# Altium PCB PCB1.PcbDoc (part 1 of 2) (continued)
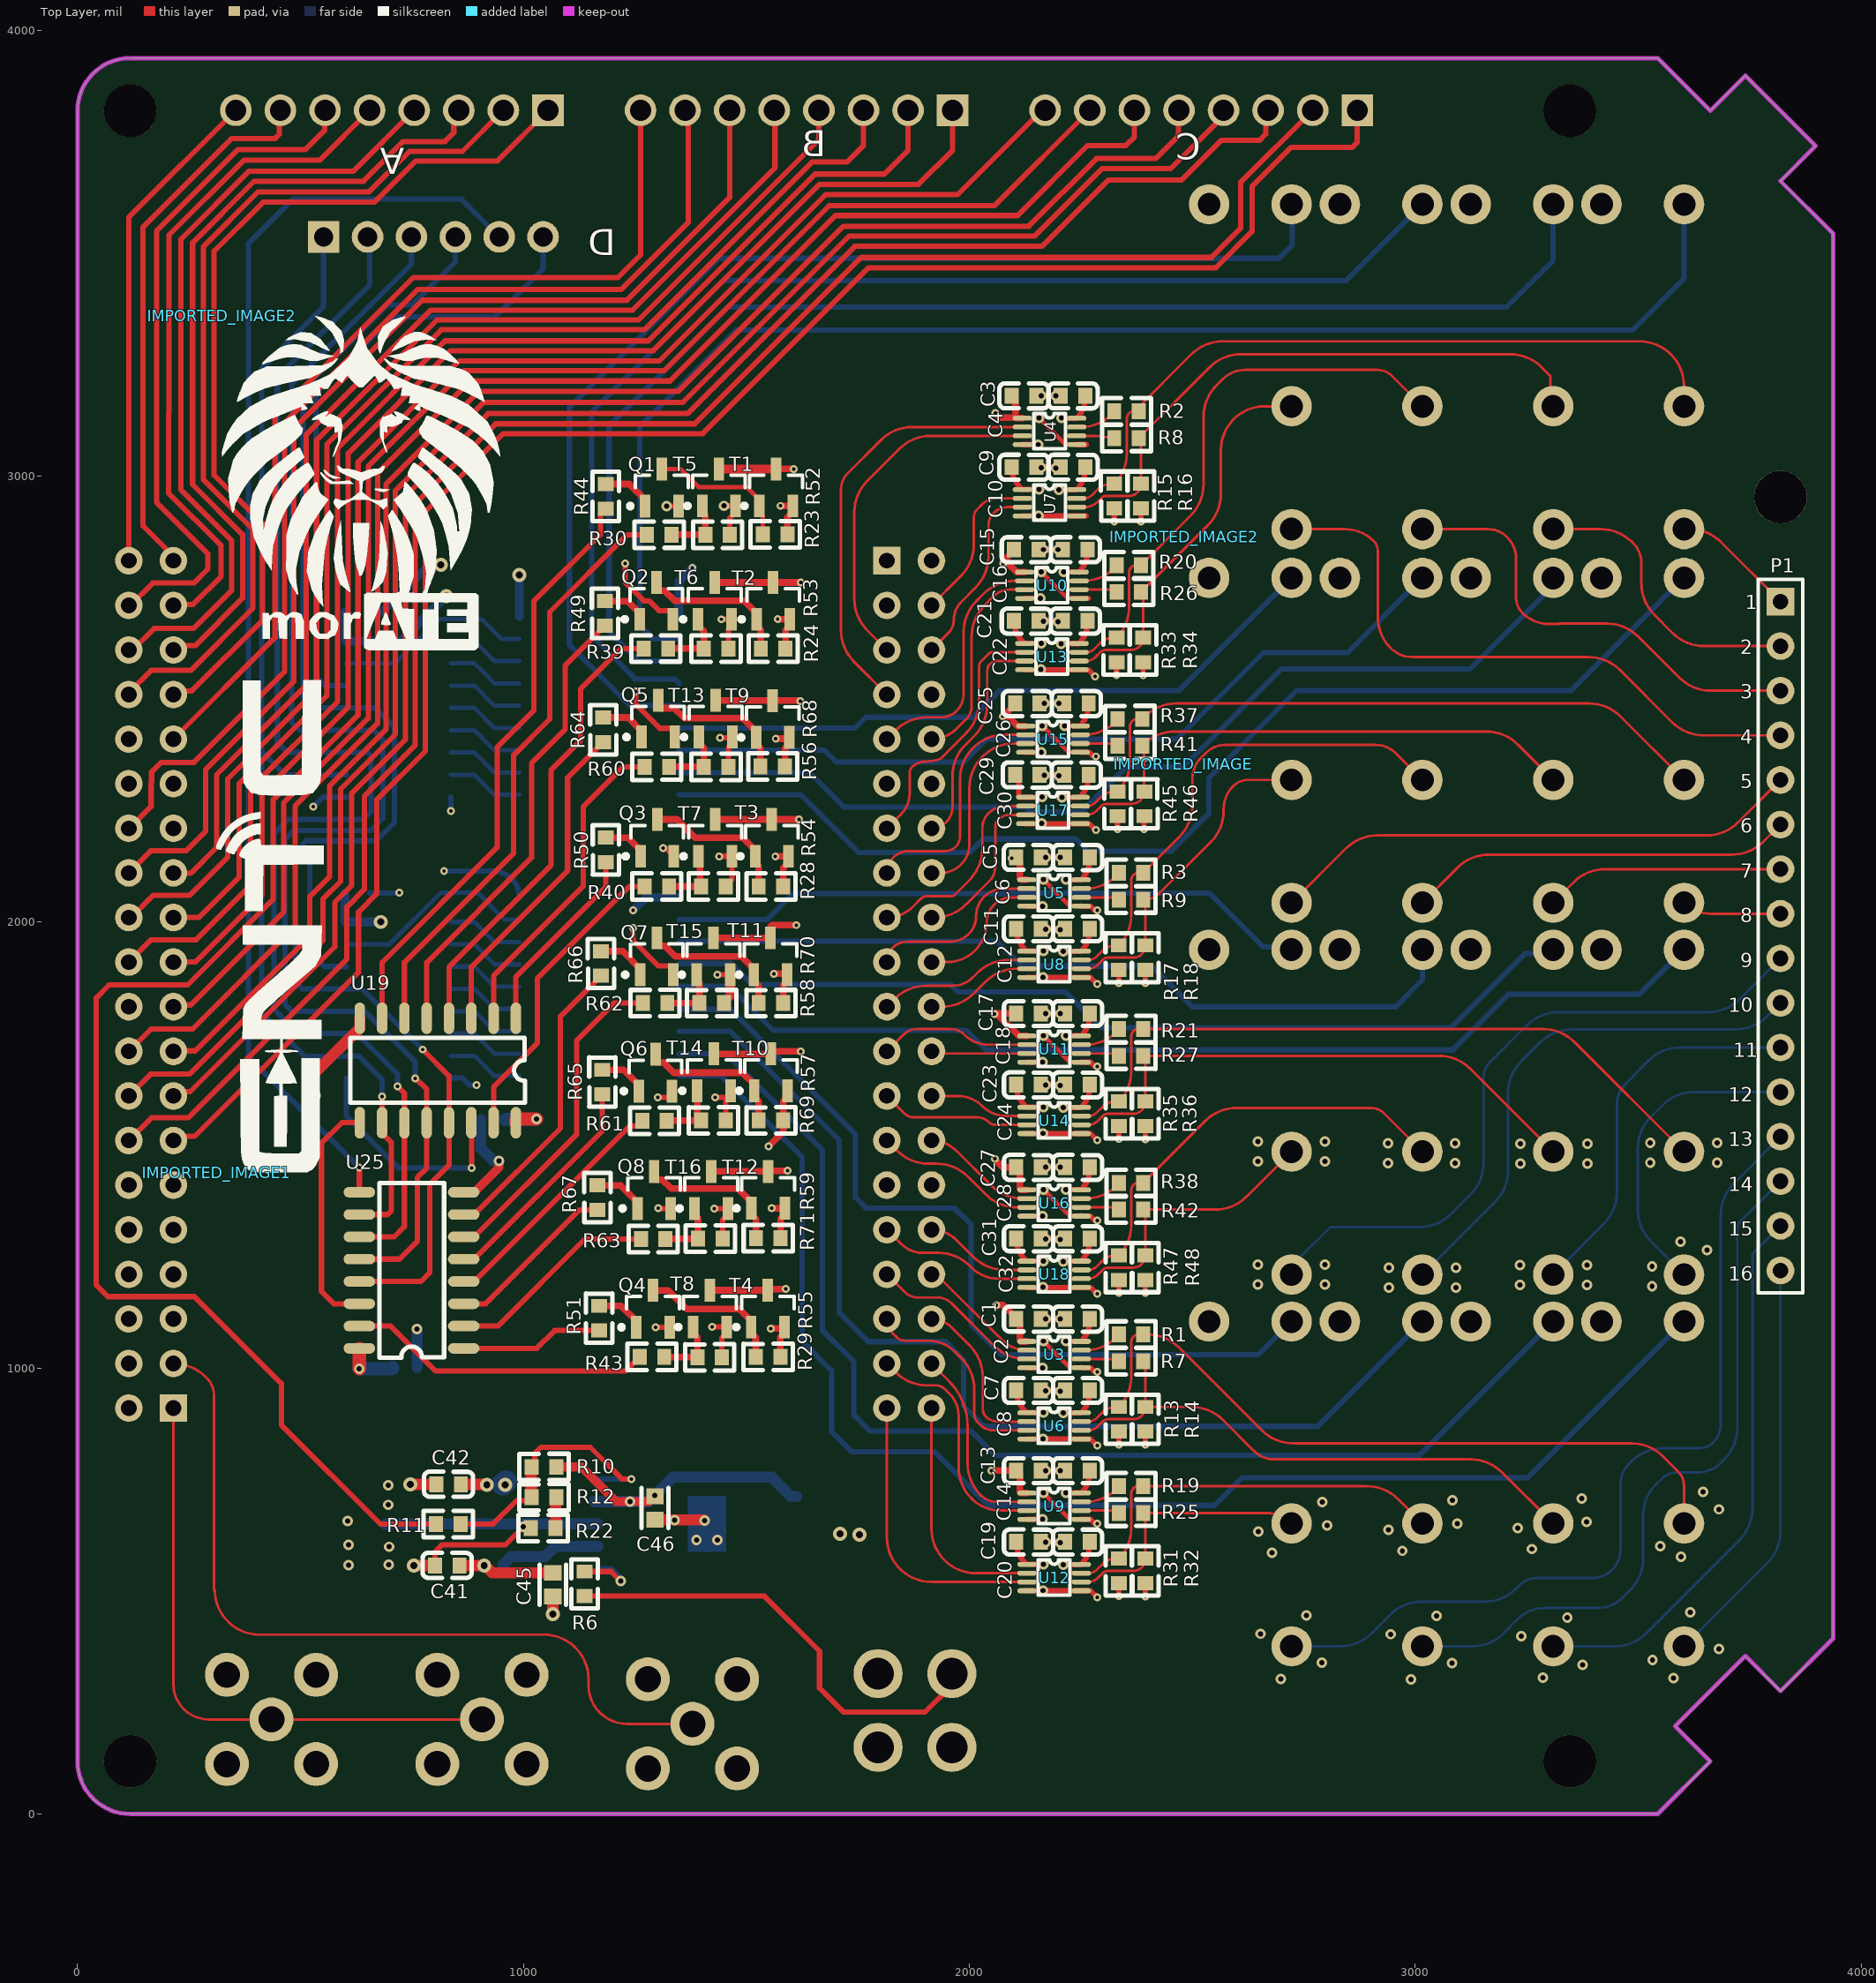
[diagram p0: Top Layer view]
## Part data
C1 C2 C3 C4 C5 C6 C7 C8 C9 C10 C11 C12 C13 C14 C15 C16 C17 C18 C19 C20 C21 C22 C23 C24 C25 C26 C27 C28 C29 C30 C31 C32 C33 C34 C41 C43 C44: BOM_LCSC Assembly=Yes, Manufacture Part Number=CC0603KRX7R9BB104, Manufacturer=YAGEO, Supplier Part Number=C14663, nameAlias=Capacitance, SMT Type=Basic, spicePre=C, spiceSymbolName=CC0603KRX7R9BB104, Supplier=LCSC
C42: Manufacture Part Number=0603B474K100, Manufacturer=WTC, Supplier Part Number=C123513, Contributor=LCSC, nameAlias=Capacitance, spicePre=C, spiceSymbolName=0603B474K100, Supplier=LCSC
C45 C46: library part CMP-2f55e5122ad9f092-5_3, "0603 10 nF 50 V ± 10% Tolerance X7R Surface Mount Multilayer Ceramic Capacitor", Capacitance Tolerance=10%, Manufacture Part Number=CL10A475KP8NNNC, Manufacturer="Samsung Electro-Mechanics", Package / Case=0603, Supplier Part Number=C1705, Voltage-Rated=10V, Capacitance=4.7uF, Supplier=LCSC
CN1 CN2 CN3: Manufacturer="JST Sales America", Supplier Part Number=C157972, Contributor=LCSC, Manufacture Part Number="B8B-XH-A (LF)(SN)", spicePre=C, spiceSymbolName="B8B-XH-A (LF)(SN)", Supplier=LCSC
CN4: Manufacturer="JST Sales America", Supplier Part Number=C144397, Contributor=LCSC, Manufacture Part Number=B6B-XH-A(LF)(SN), spicePre=U, spiceSymbolName=B6B-XH-A(LF)(SN), Supplier=LCSC
CN5: Manufacturer=BOOMELE, Supplier Part Number=C24697, image=//image.lceda.cn/szlcsc/C24697.jpg, Manufacture Part Number=pitch4.2MMsocket2*2P, spicePre=C, spiceSymbolName=pitch4.2MMsocket2*2P, Supplier=LCSC
IMPORTED_IMAGE: library part MMBT3904, "MMBT Series 40 V 200 mA SMT NPN Silicon General Purpose Transistor - SOT-23"
IMPORTED_IMAGE1 IMPORTED_IMAGE2 IMPORTED_IMAGE2: library part 1K
JP2: library part CMP-75tq5o8j4p0avfd6ylbk-1, "JP", CustomComponentID=75tq5o8j4p0avfd6ylbk
P1: Manufacture Part Number="Female header1*16P pitch 2.54mm", Manufacturer=BOOMELE, Supplier Part Number=C66987, image=//image.lceda.cn/szlcsc/C66987.jpg, spicePre=P, spiceSymbolName=Header-Female-2.54_1x16, Supplier=LCSC
Q1 Q2 Q3 Q4 Q5 Q6 Q7 Q8: library part MMBT3904, "MMBT Series 40 V 200 mA SMT NPN Silicon General Purpose Transistor - SOT-23", Manufacturer="ON Semiconductor", Supplier Part Number=C81464, Manufacture Part Number=MMBT3904LT1G, Supplier=LCSC
R1 R2 R3 R7 R8 R9 R19 R20 R21 R25 R26 R27 R37 R38 R41 R42: BOM_LCSC Assembly=Yes, Manufacture Part Number=0603WAF510JT5E, Manufacturer=UniOhm, Supplier Part Number=C23197, nameAlias="Resistance (Ohms)", SMT Type=Basic, spicePre=R, spiceSymbolName=0603WAF510JT5E, Supplier=LCSC
R6 R22: Manufacture Part Number=RC0603FR-0710KL, Manufacturer=YAGEO, Supplier Part Number=C98220, nameAlias="Resistance (Ohms)", spicePre=R, spiceSymbolName=RC0603FR-0710KL, Supplier=LCSC
R10: BOM_LCSC Assembly=Yes, Manufacture Part Number=0603WAF1003T5E, Manufacturer=UniOhm, Supplier Part Number=C25803, nameAlias="Resistance (Ohms)", SMT Type=Basic, spicePre=R, spiceSymbolName=0603WAF1003T5E, Supplier=LCSC
R11: BOM_LCSC Assembly=Yes, Manufacture Part Number=0603WAF4992T5E, Manufacturer=UniOhm, Supplier Part Number=C23184, nameAlias="Resistance (Ohms)", SMT Type=Basic, spicePre=R, spiceSymbolName=0603WAF4992T5E, Supplier=LCSC
R12 R13 R14 R15 R16 R17 R18 R31 R32 R33 R34 R35 R36 R45 R46 R47 R48: Manufacture Part Number=RC0603FR-071KL, Manufacturer=YAGEO, Supplier Part Number=C22548, nameAlias="Resistance (Ohms)", spicePre=R, spiceSymbolName=RC0603FR-071KL, Supplier=LCSC
R23 R24 R28 R29 R30 R39 R40 R43 R44 R49 R50 R51 R52 R53 R54 R55 R56 R57 R58 R59 R60 R61 R62 R63 R64 R65 R66 R67 R68 R69 R70 R71: library part 1K, Manufacture Part Number=RC0603FR-071KL, Manufacturer=YAGEO, Supplier Part Number=C22548, nameAlias="Resistance (Ohms)", spicePre=R, spiceSymbolName=RC0603FR-071KL, Supplier=LCSC
RF1 RF2 RF3: Manufacturer="Shenzhen Kinghelm Elec", Supplier Part Number=C411575, Contributor=LCSC, Manufacture Part Number=KH-SMA-K513-G, spicePre=R, spiceSymbolName=KH-SMA-K513-G, Supplier=LCSC
RLY1 RLY2 RLY3 RLY4 RLY5 RLY6 RLY7 RLY8 RLY9 RLY10 RLY11 RLY12 RLY13 RLY14 RLY15 RLY16: Manufacturer="Omron Electronics", Supplier Part Number=C225714, Contributor=LCSC, Manufacture Part Number=G5NB-1A-E-DC12, spicePre=R, spiceSymbolName=G5NB-1A-E-DC12, Supplier=LCSC
T5 T6 T7 T8 T13 T14 T15 T16: "MOSFET N TRENCH 20V 2.1A 1.2V @ 50UA 72 M? @ 3.6A,4.5V SOT-23(SOT-23-3) ROHS"
U1: "Adjustable 6V 0.8V ~ 5V 400mV @ 1A SOT-223-6 Dropout Regulators(LDO) RoHS", Manufacturer="Microchip Tech", Supplier Part Number=C147898, Manufacture Part Number=MCP1826T-ADJE/DC, Supplier=LCSC
U3 U4 U5 U6 U7 U8 U9 U10 U11 U12 U13 U14 U15 U16 U17 U18: BOM_LCSC Assembly=Yes, Manufacturer=Nexperia, Supplier Part Number=C116382, Contributor=LCSC, Manufacture Part Number=74LVCH2T45DC-Q100H, SMT Type=Extend, spicePre=U, spiceSymbolName=74LVCH2T45DC-Q100H, Supplier=LCSC
U19 U22 U24 U25: BOM_LCSC Assembly=Yes, Manufacturer=Nexperia, Supplier Part Number=C5947, image=//image.lceda.cn/szlcsc/C5947.jpg, Manufacture Part Number=74HC595D,118, SMT Type=Basic, spicePre=X, spiceSymbolName=74HC595D,118, Supplier=LCSC
U20: "Linear Voltage Regulator IC 1 Output 500mA DPAK", Manufacturer=STMicroelectronics, Package="TO-252 STMicroelectronics", Supplier Part Number=C157444, Availability=Unavailable, Manufacture Part Number=L78M06CDT-TR, Price=None, SnapEDA_Link=https://www.snapeda.com/parts/L78M06CDT-TR/STMicroelectronics/view-part/276899/?ref=snap, Supplier=LCSC
U21 U23: BOM_LCSC Assembly=Yes, Manufacture Part Number=ULN2803A, Manufacturer=MIXIC, Supplier Part Number=C107219, SMT Type=Extend, spicePre=U, spiceSymbolName=ULN2803A_C107219, Supplier=LCSC
U2: Contributor=cemasoniv, spicePre=U, spiceSymbolName="DE0 NANO UPSIDE-DOWN PIN HEADERS COPY", subpart_no=1

## Free pads (board coordinates)
  round 118.11 hole 118.11 unplated: ""(118.11,118.11) ""(118.11,3818.9) ""(3346.46,118.11) ""(3346.46,3818.9) ""(3818.9,2952.76)

## Via types
v1: diameter 23.62, hole 11.81, Top Layer to Bottom Layer, 155 vias
v2: diameter 17.72, hole 7.87, Top Layer to Bottom Layer, 80 vias
v3: diameter 31.5, hole 15.75, Top Layer to Bottom Layer, 13 vias
v4: diameter 23.62, hole 11.81, Top Layer to Bottom Layer, tented both sides, 10 vias
v5: diameter 17.72, hole 7.87, Top Layer to Bottom Layer, tented both sides, 2 vias

## Nets (pads, with @x,y where several pads share a name; then routed paths per layer and width w, separated by ;. In a path a pad name is that pad's centre, name@x,y a point inside that pad or via, vN(x,y) a via of type N, cw(c..) or ccw(c..) an arc to the next point about the centre after c; other vN are vias at no path point)
6VOUT: C41.2 C45.2 U1.2 U20.3 | length 446.6
  Top Layer w25: C41.2@856.56,557 v3(912,557) 913.76,557 930.18,540.57 C45.2@1066,540.57
  Bottom Layer w25: U20.3@953.81,558.45 972.81,577.44 1049.44,577.44 1072.28,600.28 U1.2@1166.86,600.28
+3.3V: C7.2 C9.2 C11.2 C19.2 C21.2 C23.2 C29.2 C31.2 C33.2 C34.2 C43.2 C44.2 CN5.3 R6.2 R23.1 R24.1 R28.1 R29.1 R56.1 R57.1 R58.1 R59.1 T1.3 T2.3 T3.3 T4.3 T9.3 T10.3 T11.3 T12.3 U3.5 U4.5 U5.5 U6.1 U7.1 U8.1 U9.5 U10.5 U11.5 U12.1 U13.1 U14.1 U15.5 U16.5 U17.1 U18.1 U19.16 U22.16 U24.16 U25.16 | length 15530.6
  Top Layer w10: v4@2156.23,3129.77 2215.04,3070.96 U4.5@2240.42,3070.96 ; v1@2161.23,2784.77 2220.04,2725.96 U10.5@2245.42,2725.96 ; v1@2163.23,2439.77 2222.04,2380.96 U15.5@2247.42,2380.96 ; v1@2166.23,719.77 2225.04,660.96 U9.5@2250.42,660.96 ; v1@2166.23,1059.77 2225.04,1000.96 U3.5@2250.42,1000.96 ; v1@2166.23,1399.77 2225.04,1340.96 U16.5@2250.42,1340.96 ; v1@2166.23,1744.77 2225.04,1685.96 U11.5@2250.42,1685.96 ; v1@2166.23,2094.77 2225.04,2035.96 U5.5@2250.42,2035.96
  Top Layer w12: R6.2@1137,488.44 1540.56,488.44 1664,365 1664,282 1718,228 1900,228 1960.7,288.7 CN5.3@1960.7,314.7 ; C9.2@2094.89,3020 ccw(c2158.84,3020) 2113.62,2974.78 U7.1@2118.87,2969.53 2119.34,2970 v4(2156,2970) ; C21.2@2099.89,2675 ccw(c2163.84,2675) 2118.62,2629.78 2123.87,2624.53 2124.34,2625 v1(2161,2625) ; C19.2@2104.89,610 ccw(c2168.84,610) 2123.62,564.78 2128.87,559.53 2129.34,560 v1(2166,560) ; C7.2@2104.89,950 ccw(c2168.84,950) 2123.62,904.78 2128.87,899.53 2129.34,900 v1(2166,900) ; C31.2@2104.89,1290 ccw(c2168.84,1290) 2123.62,1244.78 2128.87,1239.53 2129.34,1240 v1(2166,1240) ; C23.2@2104.89,1635 ccw(c2168.84,1635) 2123.62,1589.78 2128.87,1584.53 2129.34,1585 v1(2166,1585) ; C11.2@2104.89,1985 ccw(c2168.84,1985) 2123.62,1939.78 U8.1@2128.87,1934.53 2129.34,1935 v1(2166,1935) ; U17.1@2110.69,2281.52 C29.2@2110.69,2321.75 ; U17.1@2112.68,2279.53 U17.1@2126.42,2279.53 ; U17.1@2126.66,2279.77 v1@2162.77,2279.77 ; U4.5@2240.42,3070.96 U4.5@2240.91,3070.47 U4.5@2261.98,3070.47 ; U10.5@2245.42,2725.96 2245.91,2725.47 U10.5@2246.02,2725.47 U10.5@2266.98,2725.47 ; U15.5@2247.42,2380.96 2247.91,2380.47 U15.5@2248.46,2380.47 2268.98,2380.47 2277.35,2372.09 2282.91,2372.09 v2(2284,2371) ; U9.5@2250.42,660.96 2250.91,660.47 U9.5@2251.02,660.47 2271.98,660.47 2280.35,652.09 2285.91,652.09 v2(2287,651) ; U3.5@2250.42,1000.96 2250.91,1000.47 U3.5@2251.02,1000.47 2271.98,1000.47 2280.35,992.09 2285.91,992.09 v2(2287,991) ; U16.5@2250.42,1340.96 2250.91,1340.47 U16.5@2251.02,1340.47 2271.98,1340.47 2280.35,1332.09 2285.91,1332.09 v2(2287,1331) ; U11.5@2250.42,1685.96 2250.91,1685.47 U11.5@2251.02,1685.47 2271.98,1685.47 2280.35,1677.09 2285.91,1677.09 v2(2287,1676) ; U5.5@2250.42,2035.96 U5.5@2250.91,2035.47 2271.98,2035.47 2280.35,2027.09 2285.91,2027.09 v2(2287,2026)
  Top Layer w15: v2(1550,1497) 1582.56,1529.56 R57.1@1582.56,1555 1582.56,1598.04 1592.4,1607.88 T10.3@1592.4,1621.66 ; v2(1555,1088) 1556,1089 1582.74,1089 T4.3@1585.4,1091.66 1585.4,1077.88 1576.15,1068.63 R29.1@1576.15,1024.66 ; v2(1557,1358) T12.3@1586,1358 1586,1344.22 1576.56,1334.78 R59.1@1576.56,1291 ; v2(1562,1884) 1589.06,1884 T11.3@1591.4,1881.66 1591.4,1867.88 1582.56,1859.04 R58.1@1582.56,1818 ; v2(1565,2146.65) 1565.68,2147.32 T3.3@1594.4,2147.32 1594.4,2133.54 1582.56,2121.7 R28.1@1582.56,2079.66 ; v2(1566,2411) 1592.09,2411 1596.4,2406.69 1596.4,2399.88 1586.56,2390.04 R56.1@1586.56,2349 ; v2(1570,2679) 1593.09,2679 1597.4,2674.69 1597.4,2664.88 1587.56,2655.04 R24.1@1587.56,2613 ; v2(1576,2933) T1.3@1603.8,2933 1603.8,2919.22 1591.96,2907.37 R23.1@1591.96,2869.34 ; C29.2@2102.44,2330 C29.2@2110.69,2321.75 ; v1@2162.77,2279.77 v1(2163,2280)
  Top Layer w30: v1(632,998) U25.16@632,1044 ; U19.16@983,1550 983,1554.81 986.19,1558 v1(1029,1558)
  Mid Layer 2 w12: 2112,2629 2116,2625 v1(2161,2625) ; 2112,2967 2115,2970 v4(2156,2970)
  Mid Layer 2 w15: 1507,1087 1508,1088 v2(1555,1088) ; 1507,1361 1510,1358 v2(1557,1358) ; 1507,1498 1508,1497 v2(1550,1497) ; 1507,1886 1509,1884 v2(1562,1884) ; 1507,2144 1509.65,2146.65 v2(1565,2146.65) ; 1507,2413 1509,2411 v2(1566,2411) ; 1507,2678 1508,2679 v2(1570,2679)
  Mid Layer 2 w25: 2112,2100 2132,2120 2132,2189 2112,2209 2112,2279 ; v4(2156,3130) 2126.64,3130 2112,3115.36 2112,2967 2112,2785 ; v1(2161,2785) 2112,2785 ; v1(2163,2280) 2162,2279 2112,2279 ; v1(2163,2440) 2160,2443 2112,2443 ; 2112,2279 2112,2443 ; 2112,2443 2112,2629 2112,2785
  Mid Layer 2 w30: 432,1095 432,1612 680,1860 v3(680,2000) 680,2584 v3(827,2731) ; 628,943 632,947 v1(632,998) ; v1(1029,1558) 1030,1557 1030,943 ; 1507,2906 1534,2933 v2(1576,2933) ; CN5.3@1933.12,287.12 CN5.3@1943.43,276.81 ; v1(2166,560) 2117,560 2066,611 2066,700 2096,700 2112,716 ; v1(2166,720) 2162,716 2112,716 ; v1(2166,900) 2164,898 2112,898 ; v1(2166,1060) 2164,1062 2112,1062 ; v1(2166,1240) 2115,1240 2112,1243 ; v1(2166,1400) 2165,1401 2112,1401 ; v1(2166,1585) 2112,1585 ; v1(2166,1745) 2165,1744 2112,1744 ; v1(2166,1935) 2112,1935 ; v1(2166,2095) 2117,2095 2112,2100 2112,1935 ; 2112,716 2112,898 ; 2112,898 2112,1062 ; 2112,1062 2112,1243 ; 2112,1243 2112,1401 ; 2112,1401 2112,1585 ; 2112,1585 2112,1744 ; 2112,1744 2112,1935
  Mid Layer 2 w50: 432,1095 584,943 628,943 1030,943 1263,943 1507,699 ; 1507,745 1507,1087 1507,1361 1507,1498 1507,1886 1507,2144 1507,2413 1507,2678 1507,2906 ; CN5.3@1961,315 CN5.3@1960.7,314.7 1782.4,493 1714,493 1507,700 1507,724 1769.5,724 1793.5,700 2066,700
  Bottom Layer w20: C43.2@599.89,2695 601.44,2693.44 601.44,2631.56 U22.16@603,2630 726,2630 v3(827,2731) ; C44.2@600,2065 600,2001.67 601.67,2000 U24.16@603,2000 v3(680,2000)
  Bottom Layer w30: v1(632,998) 703.44,998 703.73,998.28 705.69,998.28 706.44,999.03 C34.2@706.44,1001 ; C33.2@959.56,1557 1028,1557 v1(1029,1558)
+5V: CN5.1 U2.011 U2.111 | length 4050.6
  Mid Layer 1 w50: U2.111@215,1410 289,1410 353,1346 353,1083 541,895 1344,895 1581,658 ; CN5.1@1795.3,314.7 1581,529 1581,658 ; U2.011@1815,2310 1750,2310 1704,2264 1704,875 1581,752 1581,658
+12V: C42.2 CN5.4 RLY1.4 RLY2.4 RLY3.4 RLY4.4 RLY5.4 RLY6.4 RLY7.4 RLY8.4 RLY9.4 RLY10.4 RLY11.4 RLY12.4 RLY13.4 RLY14.4 RLY15.4 RLY16.4 U20.1 U21.10 U23.10 | length 13784.1
  Top Layer w25: C42.2@859.56,739 917,739 v3(918,738)
  Mid Layer 2 w20: v2(1379,2794) v2@1379,2795
  Mid Layer 2 w30: v2(1246,2026) 1378,2158 v2@1378,2794 ; v2@1378,2795 1378,3034 1769,3425 2435,3425 2537.5,3527.5
  Mid Layer 2 w50: v3(918,738) v3(959,738) 1129,738 1320,547 1497,547 1655,389 1655,116 1719,52 1863.4,52 CN5.4@1960.7,149.3 2366.3,149.3 2538,321 2538,1006.29 ; RLY12.4@2545.26,1930.01 RLY12.4@2537.5,1937.77 ; RLY15.4@2830.83,1104.15 2830,1103.32 2830,977 ; RLY7.4@2830.83,2771.38 2831,2771.22 2831,2650 ; RLY3.4@2830.83,3609.15 2823.07,3616.91 2823.07,3697.93 2814,3707 ; RLY11.4@2833,1935.6 RLY11.4@2830.83,1937.77 2830.83,2147.83 2839,2156 ; RLY14.4@3124.17,1104.15 3127,1101.32 3127,977 ; RLY6.4@3124.17,2771.38 3124,2771.22 3124,2650 ; RLY2.4@3124.17,3609.15 3122,3611.32 3122,3707 ; RLY10.4@3126,1935.93 RLY10.4@3124.17,1937.77 3124.17,2156 ; RLY9.4@3409.74,1930.01 RLY9.4@3417.5,1937.77 3417.5,2126.71 3388.21,2156 3124.17,2156 ; RLY13.4@3417.5,1104.15 3416,1102.65 3416,1006.29 3386.71,977 3127,977 ; RLY5.4@3417.5,2771.38 3420,2768.88 3420,2679.29 3390.71,2650 3124,2650 ; RLY1.4@3417.5,3609.15 3417,3609.65 3417,3677.71 3387.71,3707 3122,3707 ; RLY12.4@2537.5,1937.77 2537.5,2110.5 ; RLY12.4@2537.5,1937.77 RLY16.4@2537.5,1104.15 2538,1103.65 2538,1006.29 ; RLY12.4@2537.5,1937.77 2530,1945.27 2530,2103 2537.5,2110.5 ; 2537.5,2110.5 2537.5,2136.5 ; 2537.5,2136.5 RLY8.4@2537.5,2771.38 ; 2537.5,2136.5 2557,2156 2839,2156 ; RLY8.4@2537.5,2771.38 2537.5,3527.5 RLY4.4@2537.5,3609.15 2545.26,3616.91 2545.26,3685.47 2566.79,3707 2814,3707 ; RLY8.4@2537.5,2771.38 2545.26,2763.62 2545.26,2650 2831,2650 ; 2538,1006.29 2567.29,977 2830,977 ; 2814,3707 3122,3707 ; 2830,977 3127,977 ; 2831,2650 3124,2650 ; 2839,2156 3124.17,2156
  Bottom Layer w20: v2(1246,2026) 1275,2055 U23.10@1349,2055 ; U21.10@1352,2682 U21.10@1349,2685 1349,2764 v2(1379,2794)
  Bottom Layer w50: U20.1@953.81,739.55 954.5,739.55 U20.1@961,746.05
CH1: U21.8 U22.15 | length 447.2
  Bottom Layer w10: U22.15@603,2580 712,2580 811,2679 906,2679 950,2635 U21.8@991,2635
CH2: U21.7 U22.1 | length 172.6
  Bottom Layer w10: U22.1@837,2630 890,2630 935,2585 U21.7@991,2585
CH3: U21.6 U22.2 | length 172.6
  Bottom Layer w10: U22.2@837,2580 890,2580 935,2535 U21.6@991,2535
CH4: U21.5 U22.3 | length 172.6
  Bottom Layer w10: U22.3@837,2530 890,2530 935,2485 U21.5@991,2485
CH5: U21.4 U22.4 | length 172.6
  Bottom Layer w10: U22.4@837,2480 890,2480 935,2435 U21.4@991,2435
CH6: U21.3 U22.5 | length 172.6
  Bottom Layer w10: U22.5@837,2430 890,2430 935,2385 U21.3@991,2385
CH7: U21.2 U22.6 | length 172.6
  Bottom Layer w10: U22.6@837,2380 890,2380 935,2335 U21.2@991,2335
CH8: U21.1 U22.7 | length 172.6
  Bottom Layer w10: U22.7@837,2330 890,2330 935,2285 U21.1@991,2285
CH9: U23.8 U24.15 | length 461.3
  Bottom Layer w10: U24.15@603,1950 699,1950 815,2066 894,2066 895,2065 897.5,2065 957.5,2005 U23.8@991,2005
CH10: U23.7 U24.1 | length 172.6
  Bottom Layer w10: U24.1@837,2000 890,2000 935,1955 U23.7@991,1955
CH11: U23.6 U24.2 | length 172.6
  Bottom Layer w10: U24.2@837,1950 890,1950 935,1905 U23.6@991,1905
CH12: U23.5 U24.3 | length 172.6
  Bottom Layer w10: U24.3@837,1900 890,1900 935,1855 U23.5@991,1855
CH13: U23.4 U24.4 | length 172.6
  Bottom Layer w10: U24.4@837,1850 890,1850 935,1805 U23.4@991,1805
CH14: U23.3 U24.5 | length 172.6
  Bottom Layer w10: U24.5@837,1800 890,1800 935,1755 U23.3@991,1755
CH15: U23.2 U24.6 | length 172.6
  Bottom Layer w10: U24.6@837,1750 890,1750 935,1705 U23.2@991,1705
CH16: U23.1 U24.7 | length 172.6
  Bottom Layer w10: U24.7@837,1700 890,1700 935,1655 U23.1@991,1655
CLK0_IN0: U2.01
CLK0_IN1: U2.03
CLK1_IN0: RF1.5 RF3.5 U2.11 | length 1356.1
  Top Layer w5.78: U2.11@215,910 215,291 ccw(c294,291) 294,212 RF1.5@435,212 RF3.5@907,212
CLK1_IN1: RF2.5 U2.13 | length 1812
  Top Layer w5.78: U2.13@215,1010 215.58,1010 cw(c215.58,910) 286.29,980.71 291,976 ; 291.01,975.99 cw(c254.79,939.79) 306,939.79 306,658.42 ; 306,501 306,657.42 ; 308,502 ccw(c408,502) 408,402 1046,402 cw(c1046,302) 1146,302 1146,288 ccw(c1232,288) 1232,202 RF2.5@1379,202
DIN: CN4.6 U22.14 | length 1408.5
  Bottom Layer w12: U22.14@603,2530 554,2530 535,2549 535,3185 707,3357 937,3357 1044.1,3464.11 CN4.6@1044.1,3536.03
DOUT: CN4.5 U25.9 | length 2869.4
  Top Layer w12: U25.9@632,1394 v2(632,1449)
  Bottom Layer w12: v2(632,1449) 383,1698 383,3521 483,3621 860.7,3621 CN4.5@945.67,3536.03
DUT_VH: C2.1 C4.1 C6.1 C8.1 C10.1 C12.1 C14.1 C16.1 C18.1 C20.1 C22.1 C24.1 C26.1 C28.1 C30.1 C32.1 JP2.2 U3.8 U4.8 U5.8 U6.8 U7.8 U8.8 U9.8 U10.8 U11.8 U12.8 U13.8 U14.8 U15.8 U16.8 U17.8 U18.8 | length 5881
  Top Layer w12: v4(2201,2969) 2201.27,2969.27 2240.64,2969.27 U7.8@2240.91,2969.53 ccw(c2194.81,3015.63) 2260,3015.63 C10.1@2260,3020 ; v1(2206,2624) 2206.27,2624.27 2245.64,2624.27 2245.91,2624.53 ccw(c2199.81,2670.63) 2265,2670.63 C22.1@2265,2675 ; v4(2207,3130) 2207.23,3129.77 2240.67,3129.77 U4.8@2240.91,3129.53 ccw(c2194.81,3175.63) 2260,3175.63 C4.1@2260,3180 ; v1(2208,2279) 2208.27,2279.27 2247.64,2279.27 2247.91,2279.53 ccw(c2201.81,2325.63) 2267,2325.63 C30.1@2267,2330 ; v1(2211,559) 2211.27,559.27 2250.64,559.27 2250.91,559.53 ccw(c2204.81,605.63) 2270,605.63 C20.1@2270,610 ; v1(2211,899) 2211.27,899.27 2250.64,899.27 2250.91,899.53 ccw(c2204.81,945.63) 2270,945.63 C8.1@2270,950 ; v1(2211,1239) 2211.27,1239.27 2250.64,1239.27 2250.91,1239.53 ccw(c2204.81,1285.63) 2270,1285.63 C32.1@2270,1290 ; v1(2211,1584) 2211.27,1584.27 2250.64,1584.27 2250.91,1584.53 ccw(c2204.81,1630.63) 2270,1630.63 C24.1@2270,1635 ; v1(2211,1934) 2211.27,1934.27 2250.64,1934.27 U8.8@2250.91,1934.53 ccw(c2204.81,1980.63) 2270,1980.63 C12.1@2270,1985 ; v1(2212,2785) 2212.23,2784.77 2245.67,2784.77 2245.91,2784.53 ccw(c2199.81,2830.63) 2265,2830.63 C16.1@2265,2835 ; v1(2214,2440) 2214.23,2439.77 2247.67,2439.77 2247.91,2439.53 ccw(c2201.81,2485.63) 2267,2485.63 C26.1@2267,2490 ; v1(2217,720) 2217.23,719.77 2250.67,719.77 2250.91,719.53 ccw(c2204.81,765.63) 2270,765.63 C14.1@2270,770 ; v1(2217,1060) 2217.23,1059.77 2250.67,1059.77 2250.91,1059.53 ccw(c2204.81,1105.63) 2270,1105.63 C2.1@2270,1110 ; v1(2217,1400) 2217.23,1399.77 2250.67,1399.77 2250.91,1399.53 ccw(c2204.81,1445.63) 2270,1445.63 C28.1@2270,1450 ; v1(2217,1745) 2217.23,1744.77 2250.67,1744.77 2250.91,1744.53 ccw(c2204.81,1790.63) 2270,1790.63 C18.1@2270,1795 ; v1(2217,2095) 2217.23,2094.77 2250.67,2094.77 U5.8@2250.91,2094.53 ccw(c2204.81,2140.63) 2270,2140.63 C6.1@2270,2145
  Mid Layer 2 w12: v1(2206,2624) v1@2207,2623 ; v1(2214,2440) 2216.22,2437.78 2230.22,2437.78 2231,2437 ; v1(2217,1745) 2218,1746 2219,1746 2235,1746 ; v1(2217,2095) 2217,2091.86 2235,2073.86 2235,2063.5 ; 2227,1918 2235,1918 ; 2235,537 v1@2214,558 ; 2235,558 v1@2214,558 ; 2235,575 2230.14,575 2214.14,559 v1@2213,559 ; 2235,693 2235,698.86 2217,716.86 v1(2217,720) ; 2235,721 2218,721 v1(2217,720) ; 2235,741 2217,723 v1(2217,720) ; 2235,882 2231.14,882 v1@2214.14,899 ; 2235,900 v1@2215.14,900 ; 2235,916 2231.14,916 v1@2215.14,900 ; 2235,1032 2235,1038.86 2217,1056.86 v1(2217,1060) 2219,1060 2235,1076 ; 2235,1223 2230.14,1223 v1@2214.14,1239 ; 2235,1240 v1@2215.14,1240 ; 2235,1258 2233.14,1258 v1@2215.14,1240 ; 2235,1373 2235,1378.86 2217,1396.86 v1(2217,1400) 2217,1401 2235,1419 ; v1@2213,559 v1(2211,559) 2212,558 v1@2214,558 ; v1@2213,559 v1@2214,558 ; v1@2214.14,899 v1@2215.14,900 ; v1@2214.14,899 v1(2211,899) 2212,900 v1@2215.14,900 ; v1@2214.14,1239 v1@2215.14,1240 ; v1@2214.14,1239 v1(2211,1239) 2212,1240 v1@2215.14,1240
  Mid Layer 2 w25: v1(2206,2624) 2231,2649 ; v4(2207,3130) 2231,3106 2231,2992 ; v1(2211,1584) v1@2215,1584 ; v1(2214,2440) 2229,2455 2231,2455 ; v1@2216.22,2437.78 2231,2423 ; 2227,1918 v1(2211,1934) 2217,1934 2235,1952 ; 2235,537 2235,558 2235,575 2235,693 ; 2235,698.86 2235,721 2235,741 2235,882 2235,900 2235,916 2235,1032 ; 2235,1038.86 2235,1076 2235,1223 2235,1240 2235,1258 2235,1373 ; 2235,1378.86 2235,1419 2235,1567 ; 2235,2063.5 2235,1952 ; 2235,2073.86 2235,2077 ; v1@2212,2279 2229,2279 2231,2281 ; v1@2212,2279 v1(2208,2279) 2229,2258 2231,2258 ; v1@2212,2279 2231,2298 ; v1@2213,2785 2227,2785 2231,2781 ; v1@2213,2785 v1(2212,2785) 2231,2766 ; v1@2213,2785 2231,2803 ; v1@2215,1584 2218,1584 2235,1567 ; v1@2215,1584 2235,1604 ; 2231,2258 2231,2281 ; 2231,2258 2231,2196 2235,2192 2235,2113 ; 2231,2281 2231,2298 ; 2231,2298 2231,2423 ; 2231,2423 2231,2437 2231,2455 ; 2231,2455 2231,2599 ; 2231,2599 2231,2623 ; 2231,2599 2207,2623 2231,2623 ; 2231,2623 2231,2649 ; 2231,2649 2231,2766 ; 2231,2766 2231,2781 ; 2231,2781 2231,2803 ; 2231,2803 2231,2939 ; 2231,2939 2231,2992 ; 2231,2939 v4(2201,2969) 2208,2969 2231,2992 ; 2235,1567 2235,1604 ; 2235,1604 2235,1727 ; 2235,1727 2235,1746 2235,1762 ; 2235,1727 v1(2217,1745) 2218,1745 2219,1746 2235,1762 ; 2235,1762 2235,1918 2235,1952 ; 2235,2077 2235,2113 ; 2235,2077 v1(2217,2095) 2235,2113
  Mid Layer 2 w40: v3@1710,634 v3(1710,628) 1751.22,628 v3(1753.22,626) 1789,626 1975.18,436 2200,436 2235,471 2235,537
EN: R6.1 U1.1 | length 157.3
  Top Layer w12: R6.1@1137,543.56 1196.44,543.56 v1(1218,522)
  Bottom Layer w12: U1.1@1166.86,550.28 1197.36,550.28 1216.91,530.74 1216.91,523.09 v1(1218,522)
GND: C1.1 C2.2 C3.1 C4.2 C5.1 C6.2 C7.1 C8.2 C9.1 C10.2 C11.1 C12.2 C13.1 C14.2 C15.1 C16.2 C17.1 C18.2 C19.1 C20.2 C21.1 C22.2 C23.1 C24.2 C25.1 C26.2 C27.1 C28.2 C29.1 C30.2 C31.1 C32.2 C33.1 C34.1 C41.1 C42.1 C43.1 C44.1 C45.1 C46.1 CN5.2 Q1.3 Q2.3 Q3.3 Q4.3 Q5.3 Q6.3 Q7.3 Q8.3 R13.1 R14.1 R15.1 R16.1 R17.1 R18.1 R22.1 R31.1 R32.1 R33.1 R34.1 R35.1 R36.1 R45.1 R46.1 R47.1 R48.1 R52.1 R53.1 R54.1 R55.1 R68.1 R69.1 R70.1 R71.1 RF1.1 RF1.2 RF1.3 RF1.4 RF2.1 RF2.2 RF2.3 RF2.4 RF3.1 RF3.2 RF3.3 RF3.4 T5.3 T6.3 T7.3 T8.3 T13.3 T14.3 T15.3 T16.3 U1.3 U2.012 U2.030 U2.112 U2.130 U3.4 U4.4 U5.4 U6.4 U6.5 U7.4 U7.5 U8.4 U8.5 U9.4 U10.4 U11.4 U12.4 U12.5 U13.4 U13.5 U14.4 U14.5 U15.4 U16.4 U17.4 U17.5 U18.4 U18.5 U19.8 U20.2 U21.9 U22.8 U23.9 U24.8 U25.8 | length 6650.2
  Top Layer w12: C41.1@801.44,557 801.44,587.44 817,603 959,603 v1(1000,644) ; v2(1228,2804) 1228,2762 1270,2720 1282,2720 1303.75,2698.25 1329.59,2698.25 1335.4,2692.44 Q2.3@1335.4,2678.66 ; v2(1246,1987) 1246,1958 1302.75,1901.25 1330.59,1901.25 1336.4,1895.44 Q7.3@1336.4,1881.66 ; v2(1252,2517) 1252,2488 1305.75,2434.25 1333.59,2434.25 1339.4,2428.44 Q5.3@1339.4,2414.66 ; v2(1296,1091) 1296.32,1091.32 Q4.3@1328,1091.32 ; v2(1301,1607) 1327.59,1607 1333.4,1612.81 Q6.3@1333.4,1620.66 ; v2(1302,1358) 1302.34,1357.66 Q8.3@1330.4,1357.66 ; v2(1313,2166) 1318.72,2166 Q3.3@1337.4,2147.32 ; v1(1321.34,2932.66) Q1.3@1347.8,2932.66 ; v2(1423,1092) 1449.59,1092 1455.4,1086.19 1455.4,1077.88 1445.15,1067.63 R55.1@1445.15,1023.66 ; v2(1428,1357) 1428.66,1357.66 T16.3@1458.4,1357.66 1458.4,1343.88 1446.56,1332.04 R71.1@1446.56,1290 ; v2(1430,1607) 1458.59,1607 T14.3@1464.4,1612.81 ; v2(1435,1882) 1435.34,1881.66 T15.3@1463.4,1881.66 ; v2(1439,2147) 1439.32,2147.32 T7.3@1467.4,2147.32 1467.4,2095.48 1453.56,2081.63 R54.1@1453.56,2079.66 ; v2(1441,2413) 1462.59,2413 1468.4,2407.19 1468.4,2400.88 1459.56,2392.04 R68.1@1459.56,2348 ; v2(1443.66,2678.66) T6.3@1466.4,2678.66 1466.4,2664.88 1459.56,2658.04 R53.1@1459.56,2613 ; v1(1450,2933) T5.3@1475.8,2933 1475.8,2919.22 1462.96,2906.37 R52.1@1462.96,2868.34 ; R69.1@1453.56,1555 1453.56,1597.04 1464.4,1607.88 T14.3@1464.4,1612.81 ; T14.3@1464.4,1621.66 T14.3@1464.4,1612.81 ; U7.4@2118.87,2910.47 U7.5@2240.91,2910.47 U7.5@2261.98,2910.47 ; U4.4@2118.87,3070.47 v4(2154.53,3070.47) v4@2155,3070 ; U13.4@2123.87,2565.47 2245.9,2565.47 U13.5@2246.02,2565.47 2266.98,2565.47 2281.45,2551 v2(2282,2551) ; U10.4@2123.87,2725.47 U10.4@2123.98,2725.47 v1(2159.53,2725.47) v1@2160,2725 ; U17.4@2125.87,2220.47 2247.9,2220.47 U17.5@2248.46,2220.47 2268.98,2220.47 2283.45,2206 v2(2284,2206) ; U15.4@2125.87,2380.47 U15.4@2126.42,2380.47 v1(2161.53,2380.47) v1@2162,2380 ; U12.4@2128.87,500.47 2250.9,500.47 U12.5@2251.02,500.47 2271.98,500.47 2286.45,486 v2(2287,486) ; U9.4@2128.87,660.47 U9.4@2128.98,660.47 v1(2164.53,660.47) v1@2165,660 ; U6.4@2128.87,840.47 2250.9,840.47 U6.5@2251.02,840.47 2271.98,840.47 2286.45,826 v2(2287,826) ; U3.4@2128.87,1000.47 U3.4@2128.98,1000.47 v1(2164.53,1000.47) v1@2165,1000 ; U18.4@2128.87,1180.47 2250.9,1180.47 U18.5@2251.02,1180.47 2271.98,1180.47 2286.45,1166 v2(2287,1166) ; U16.4@2128.87,1340.47 U16.4@2128.98,1340.47 v1(2164.53,1340.47) v1@2165,1340 ; U14.4@2128.87,1525.47 2250.9,1525.47 U14.5@2251.02,1525.47 2271.98,1525.47 2286.45,1511 v2(2287,1511) ; U11.4@2128.87,1685.47 U11.4@2128.98,1685.47 v1(2164.53,1685.47) v1@2165,1685 ; U8.4@2128.87,1875.47 U8.5@2250.91,1875.47 2271.98,1875.47 2286.45,1861 v2(2287,1861) ; U5.4@2128.87,2035.47 v1(2164.53,2035.47) v1@2165,2035 ; C9.1@2150,3020 C10.2@2204.89,3020 ; C3.1@2150,3180 2154,3176 2158,3180 v4(2161,3180) v4(2194.15,3180) C4.2@2196.89,3180 ; C21.1@2155,2675 C22.2@2209.88,2675 ; C15.1@2155,2835 2159,2831 2163,2835 v1(2166,2835) v1(2199.15,2835) C16.2@2201.89,2835 ; C29.1@2157,2330 C30.2@2211.88,2330 ; C25.1@2157,2490 2161,2486 2165,2490 v1(2168,2490) v1(2201.15,2490) C26.2@2203.89,2490 ; C19.1@2160,610 C20.2@2214.88,610 ; C13.1@2160,770 2164,766 2168,770 v1(2171,770) v1(2204.15,770) C14.2@2206.89,770 ; C7.1@2160,950 C8.2@2214.88,950 ; C1.1@2160,1110 2164,1106 2168,1110 v1(2171,1110) v1(2204.15,1110) C2.2@2206.89,1110 ; C31.1@2160,1290 C32.2@2214.88,1290 ; C27.1@2160,1450 2164,1446 2168,1450 v1(2171,1450) v1(2204.15,1450) C28.2@2206.89,1450 ; C23.1@2160,1635 C24.2@2214.88,1635 ; C17.1@2160,1795 2164,1791 2168,1795 v1(2171,1795) v1(2204.15,1795) C18.2@2206.89,1795 ; C11.1@2160,1985 C12.2@2214.89,1985 ; C5.1@2160,2145 2164,2141 2168,2145 v1(2171,2145) v1(2204.15,2145) C6.2@2206.89,2145 ; R15.1@2324.89,2927.44 v5(2324.89,2898.11) v5@2325,2898 ; R33.1@2329.89,2582.44 v2(2329.89,2553.11) v2@2330,2553 ; R45.1@2331.89,2237.44 v2(2331.89,2208.11) v2@2332,2208 ; R31.1@2334.89,517.44 v2(2334.89,488.11) v2@2335,488 ; R13.1@2334.89,857.44 v2(2334.89,828.11) v2@2335,828 ; R47.1@2334.89,1197.44 v2(2334.89,1168.11) v2@2335,1168 ; R35.1@2334.89,1542.44 v2(2334.89,1513.11) v2@2335,1513 ; R17.1@2334.89,1892.44 v2(2334.89,1863.11) v2@2335,1863 ; R16.1@2384.89,2927.44 2384.89,2898.11 v5(2385,2898) ; R34.1@2389.89,2582.44 2389.89,2553.11 v2(2390,2553) ; R46.1@2391.89,2237.44 2391.89,2208.11 v2(2392,2208) ; R32.1@2394.89,517.44 2394.89,488.11 v2(2395,488) ; R14.1@2394.89,857.44 2394.89,828.11 v2(2395,828) ; R48.1@2394.89,1197.44 2394.89,1168.11 v2(2395,1168) ; R36.1@2394.89,1542.44 2394.89,1513.11 v2(2395,1513) ; R18.1@2394.89,1892.44 2394.89,1863.11 v2(2395,1863) ; C4.2@2196.89,3180 2200.89,3176 2201.89,3177 2198.89,3180 C4.2@2196.89,3180 ; C16.2@2201.89,2835 2203.89,2835 2206.89,2832 2205.89,2831 C16.2@2201.89,2835 ; C26.2@2203.89,2490 2205.89,2490 2208.89,2487 2207.89,2486 C26.2@2203.89,2490 ; C14.2@2206.89,770 2208.89,770 2211.89,767 2210.89,766 C14.2@2206.89,770 ; C2.2@2206.89,1110 2208.89,1110 2211.89,1107 2210.89,1106 C2.2@2206.89,1110 ; C28.2@2206.89,1450 2208.89,1450 2211.89,1447 2210.89,1446 C28.2@2206.89,1450 ; C18.2@2206.89,1795 2208.89,1795 2211.89,1792 2210.89,1791 C18.2@2206.89,1795 ; C6.2@2206.89,2145 2210.89,2141 2211.89,2142 2208.89,2145 C6.2@2206.89,2145
  Top Layer w20: U25.8@866,1394 889.58,1394 945,1449.42 v1(945,1464) ; R70.1@1449.56,1818 1449.56,1819.97 1463.4,1833.82 T15.3@1463.4,1881.66
  Top Layer w25: v3(530,1611) 530,1658.8 633,1761.8 U19.8@633,1784 ; v3(746,739) C42.1@804.44,739 ; v3(754,557) C41.1@801.44,557 ; v3(1066,448) C45.1@1066,487.43 ; C46.1@1295,659.43 1404.57,659.43 v1(1406,658)
  Bottom Layer w12: C44.1@655.11,2065 655.61,2064.5 720.5,2064.5 v2(722,2066) ; v2(822,2114) 932,2114 cw(c932,2055) U23.9@991,2055 ; U24.8@836,1649 U24.8@837,1650 863.73,1650 879.73,1634 v2(895,1634) ; v2(837,2249) ccw(c836,2249) 836,2250 ccw(c836,2251) 837,2251 U22.8@837,2280 ; v1(1450,2933) v1@1452,2935
  Bottom Layer w20: C43.1@655,2695 683,2695 789,2801 v3(815,2801) ; U21.9@991,2685 v3(991,2778)
  Bottom Layer w25: U20.2@692,649 693.28,650.28 U1.3@1166.86,650.28 ; v1(761,1087) 761.56,1086.44 C34.1@761.56,1001 ; C33.1@904.44,1557 904.44,1492.56 933,1464 v1(945,1464)
  other v1: 2990,302 2698,303 3579,305 3286,306 3375,334 3082,338 2790,339 3532,345 3681,370 3238,399 2945,403 2653,404 3341,440 3048,444 2756,445 3617,452 2165,501 608,558 698,559 3596,577 2679,586 2971,590 3261,594 699,599 3549,600 608,603 2204,608 2171,609 1388,614 1435,614 2648,633 2940,637 3230,641 2802,647 3094,651 3384,655 606,657 1339,659 3681,683 697,693 2791,699 3083,703 3373,707 3645,722 697,737 2165,841 2204,948 2171,949 2941,1180 3091,1180 2165,1181 3531,1183 3235,1186 3385,1186 2647,1187 2797,1187 2941,1225 3091,1225 3531,1228 3235,1231 3385,1231 2647,1232 2797,1232 3654,1264 3595,1283 2204,1288 2171,1289 3236,1458 3386,1458 2939,1459 3089,1459 3527,1460 3677,1460 2647,1463 2797,1463 3236,1503 3386,1503 2939,1504 3089,1504 3527,1505 3677,1505 2647,1508 2797,1508 2165,1526 2204,1633 2171,1634 2165,1876 2204,1983 2171,1984 2162,2221 2201,2328 2168,2329 2160,2566 2199,2673 2166,2674
  other v4: 2155,2911 2194,3018 2161,3019
GPIO_01: U2.04 U7.2 | length 374.9
  Top Layer w5.78: U2.04@1902,2710 U2.04@1915,2710 1980.71,2775.71 ccw(c1910,2846.42) 2010,2846.42 2010,2907 cw(c2036.56,2907) 2017.78,2925.78 2028,2936 cw(c2061.41,2902.59) 2061.41,2949.84 U7.2@2118.87,2949.84
GPIO_02: U2.05 U4.3 | length 798.1
  Top Layer w5.78: U2.05@1815,2610 1771.29,2653.71 cw(c1842,2724.42) 1742,2724.42 1742,2918.58 cw(c1842,2918.58) 1771.29,2989.29 1842.87,3060.87 cw(c1913.58,2990.16) 1913.58,3090.16 U4.3@2118.87,3090.16